# KiCad board arena_10_of_10_v1r1.kicad_pcb (continued)
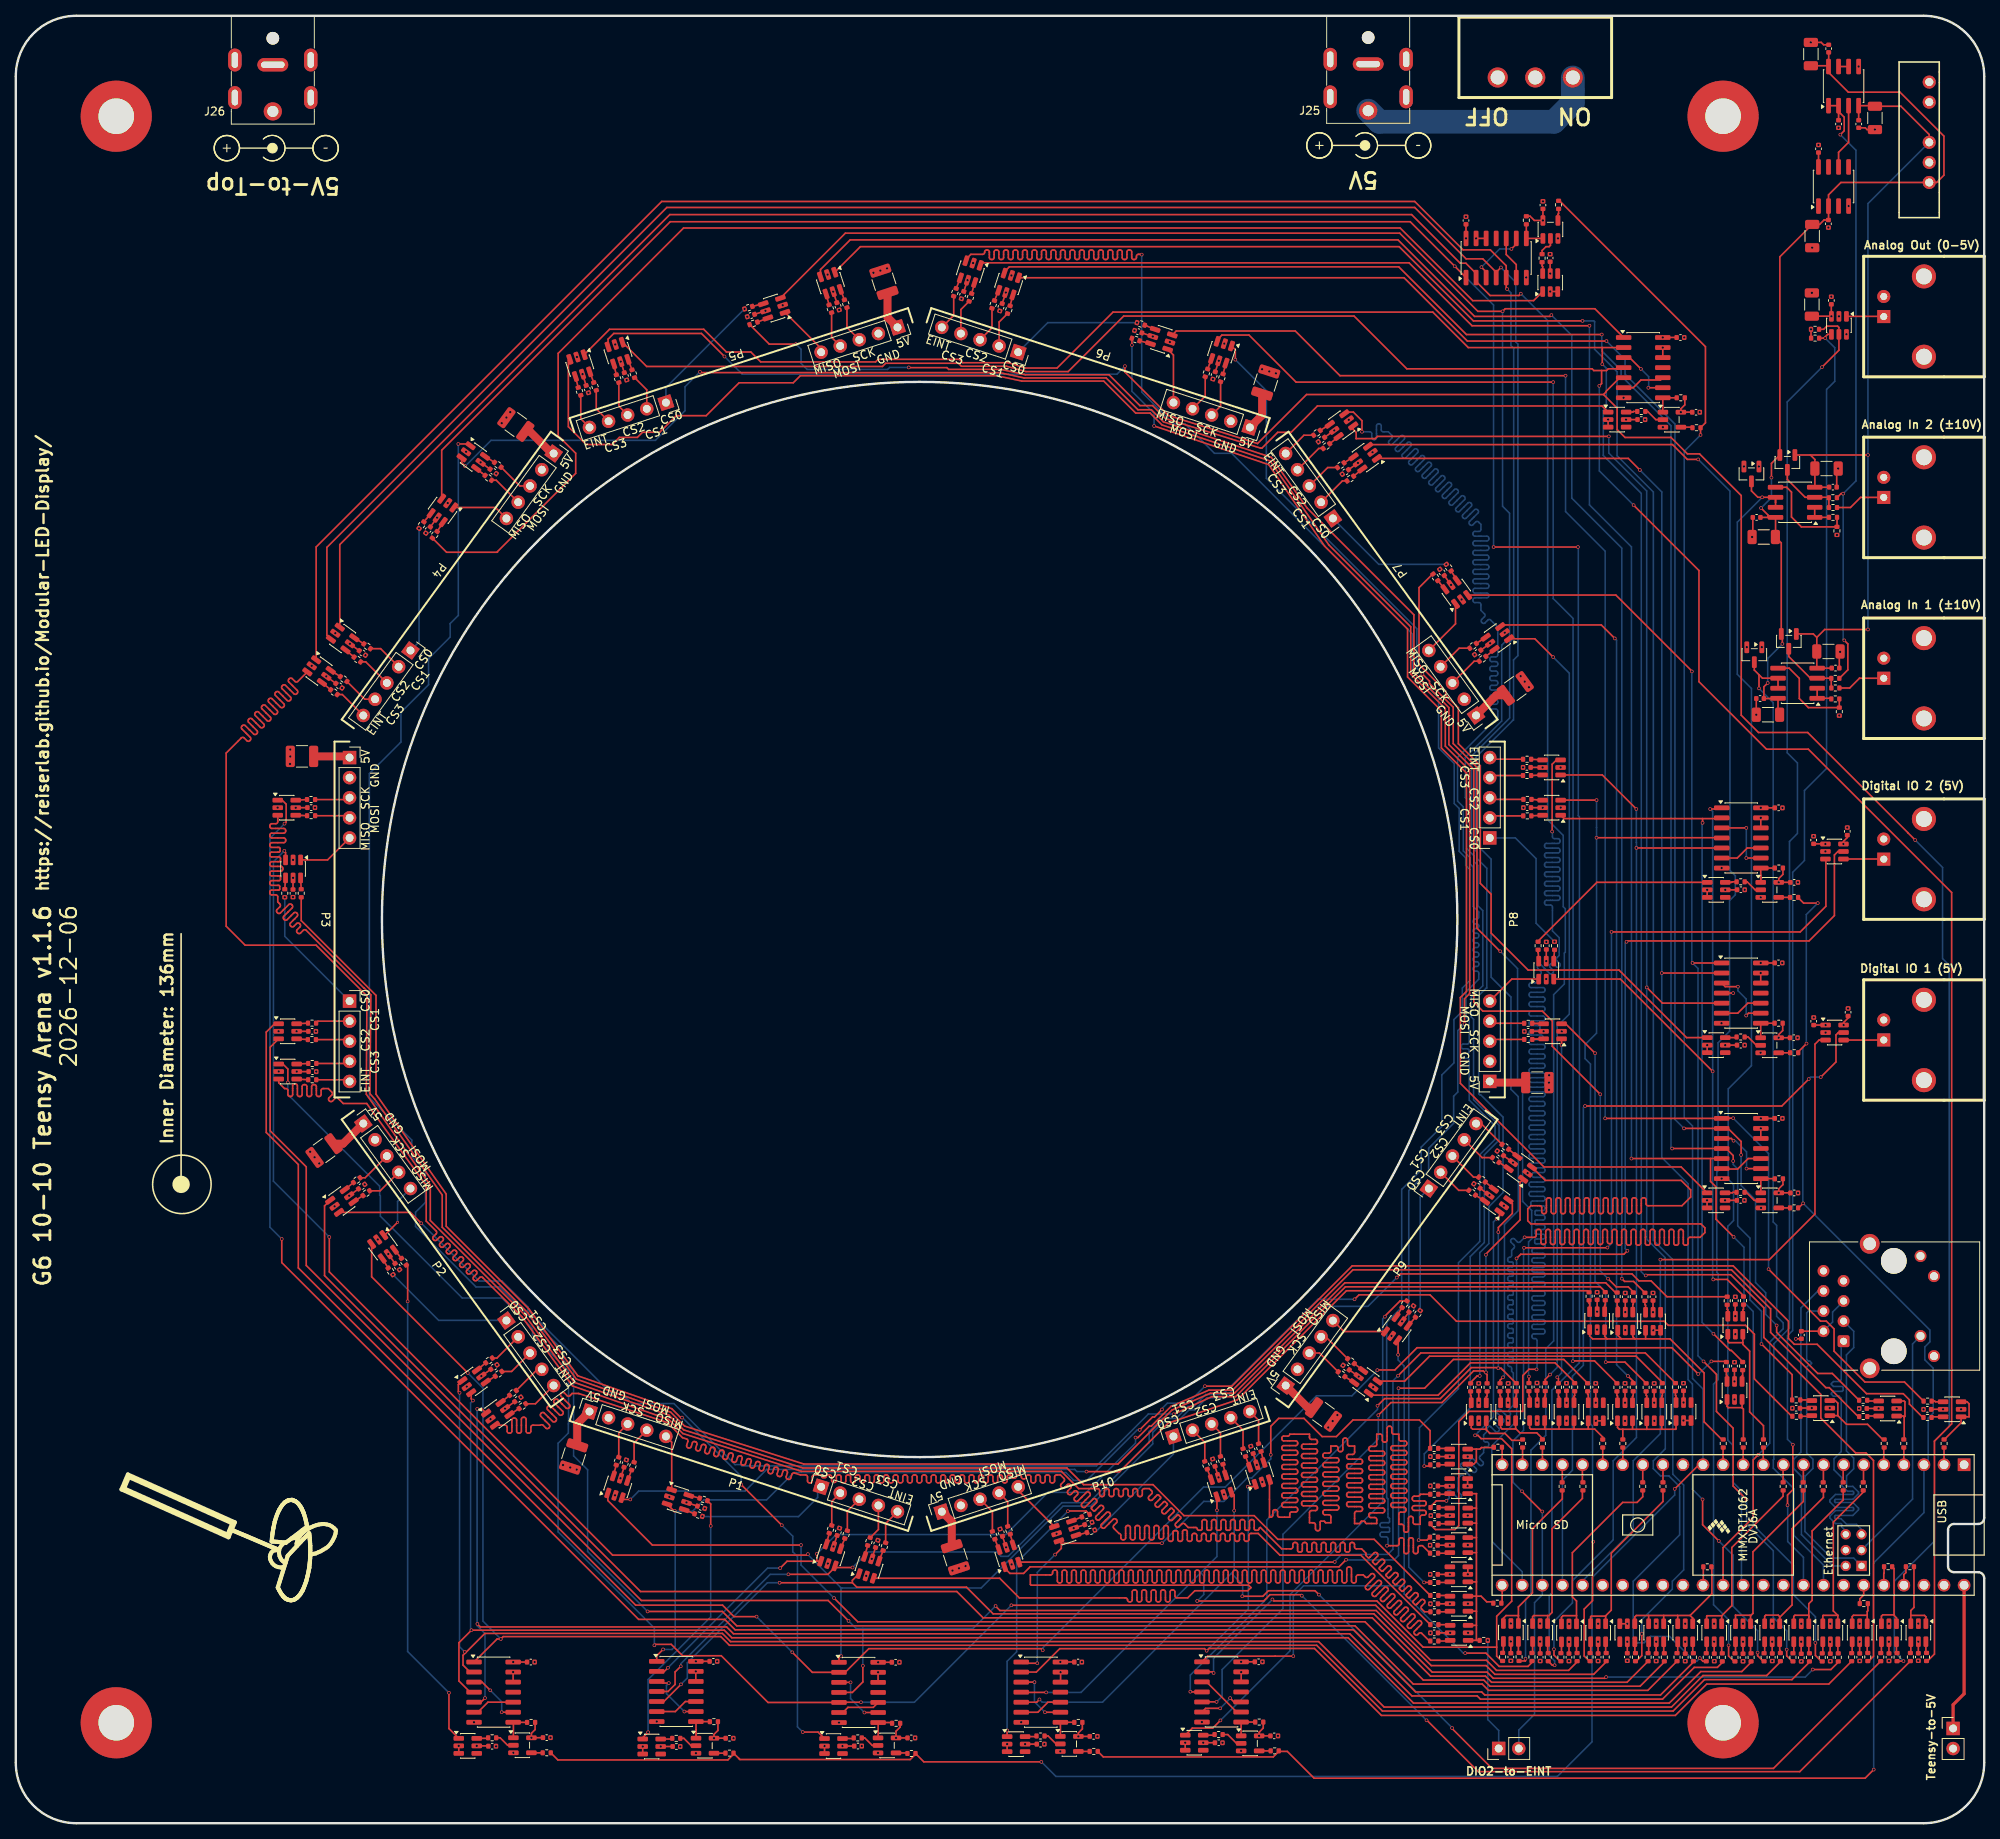
[diagram p0: board, top side]
## Routing (per net, layer and track width the routed paths; a pad name or vN(x,y) marks a point on that pad's centre or on a via; arc(x,y) is an arc through that point) (continued)
  Bottom w0.2: v1(101.29,34.06) 103.74,36.5 125.18,36.5 130.52,41.84 135.37,41.84 141.6,48.08 v1(141.6,48.78) ; v1(82.47,19.66) 95.07,32.26 v1(96.66,32.26)
/Fan Out/PAN.CS_01_P6: length 229.2
  Top w0.2: v1(222.68,62.95) 222.68,62.08 227.88,56.88 229.71,56.88 R51.2 ; v1(218.18,84.53) 218.18,86.22 216.53,87.88 U99.2 v1(210.96,87.88) ; v1(201.16,187.46) 183.56,187.46 175.55,195.47 U64.1
  Bottom w0.2: v1(218.18,84.53) 218.18,80.65 220.01,78.83 220.01,68.37 221.29,67.09 221.29,64.36 222.68,62.98 v1(222.68,62.95) ; v1(201.16,187.46) 203.51,185.11 203.51,183.27 209.82,176.96 209.82,89.02 v1(210.96,87.88)
/Fan Out/PAN.CS_02_P1: length 176.8
  Top w0.2: v1(84.09,19.84) 83.37,19.12 83.37,17.55 82.48,16.66 U89.4 ; v1(169.3,66.27) 169.86,66.83 178.84,66.83 182.18,63.49 208.45,63.49 208.97,62.97 218.74,62.97 219.86,61.85 219.86,56.19 224.59,51.47 R52.2 ; v1(105.81,32.34) 103.81,32.34 U44.3 103.6,32.38 102.7,31.48 v1(97.7,31.48)
  Bottom w0.2: v1(105.81,32.34) 107.79,34.31 124.05,34.31 124.05,34.28 124.57,33.75 125.5,33.75 132.29,40.54 135.71,40.54 143.32,48.15 143.32,49.55 144.97,51.2 146.72,51.2 148.22,52.7 148.95,52.7 150.48,54.23 152.62,54.23 164.66,66.27 v1(169.3,66.27) ; v1(84.09,19.84) 84.09,20.17 95.4,31.48 v1(97.7,31.48)
/Fan Out/PAN.CS_02_P6: length 228.2
  Top w0.2: U64.3 125,196.21 125.64,196.85 174.88,196.85 183.45,188.29 v1(200.56,188.29) ; R53.2 224.63,56.73 v1(220.76,60.61) ; v1(209.45,85.34) U99.4 216.28,85.34 217.18,84.43 v1(217.18,83.75)
  Bottom w0.2: v1(209.45,85.34) 209.31,85.47 209.31,176.75 203.01,183.06 203.01,183.77 200.56,186.22 v1(200.56,188.29) ; v1(217.18,83.75) 217.18,83.32 217.75,82.75 217.75,75.55 219.3,74 219.3,66.2 220.76,64.74 v1(220.76,60.61)
/Fan Out/PAN.CS_03_P1: length 164.2
  Top w0.2: v1(201.11,18.48) 200.96,18.33 186.84,18.33 186.06,19.1 179.12,19.1 171.74,26.48 123.59,26.48 120.22,29.85 106.35,29.85 105.79,30.41 ; U45.1 105.79,30.71 105.79,30.41 ; v1(227.24,19.44) 229.53,19.44 230.47,20.37 R54.2 ; 105.79,30.41 v1(96.59,30.41) ; v1(84.11,17.55) 81.95,15.39 U89.5
  Bottom w0.2: v1(96.59,30.41) 95.04,30.41 84.92,20.28 84.92,18.36 v1(84.11,17.55) ; v1(227.24,19.44) 226.29,18.48 v1(201.11,18.48)
/Fan Out/PAN.CS_03_P6: length 268.9
  Top w0.2: R55.2 228.33,20.47 227.58,21.22 v1(227.58,22.8) ; v1(204.31,84.07) 214.31,84.07 ; 214.31,84.07 U99.5 ; 214.31,84.07 214.31,81.17 215.01,80.47 215.01,76.38 v1(217.23,74.16) ; U65.1 122.28,197.36 176.2,197.36 184.15,189.4 v1(199,189.4)
  Bottom w0.2: v1(199,189.4) 199,166.74 204.31,161.43 v1(204.31,84.07) ; v1(227.58,22.8) 227.58,26.11 224.79,28.9 224.79,32.62 219.71,37.7 219.71,64.72 218.54,65.89 218.54,72.85 v1(217.23,74.16)
/Fan Out/PAN.CS_04_P2: length 233.5
  Top w0.2: R56.2 226.82,20.37 224.61,18.16 213.55,18.16 209.58,14.19 172.82,14.19 164.51,22.5 90.25,22.5 89.15,23.6 61.63,23.6 v1(61.33,23.3) 60.86,23.3 U91.1 ; v1(57.16,56.95) 45,69.11 U47.3
  Bottom w0.2: v1(61.33,23.3) 59.08,25.55 59.08,55.03 v1(57.16,56.95)
/Fan Out/PAN.CS_04_P7: length 166.6
  Top w0.2: U67.3 202.34,155.34 211.95,145.73 v1(211.95,145.68) ; v1(212.04,108.8) U102.1 ; v1(218.87,40.95) 217.17,42.64 217.17,49.96 215.06,52.07 215.06,56.77 v1(213.43,58.41) ; R57.2 224.64,20.48 223.94,21.17 v1(223.94,21.95)
  Bottom w0.2: v1(218.87,40.95) 218.87,37.84 222.25,34.45 222.25,26.02 223.94,24.33 v1(223.94,21.95) ; v1(213.43,58.41) 212.73,59.11 212.73,108.11 v1(212.04,108.8) 211.95,108.89 v1(211.95,145.68)
/Fan Out/PAN.CS_05_P2: length 212.1
  Top w0.2: 56.88,21.56 56.55,21.24 56.55,19.99 57.43,19.12 U91.2 ; 56.88,21.56 59.31,24 89.35,24 90.38,22.97 164.75,22.97 173.03,14.69 209.38,14.69 213.36,18.68 221.42,18.68 223.14,20.4 R58.2 ; 56.88,21.56 v1(56.76,21.67) ; v1(56.11,54.44) 55.96,54.59 55.96,55.47 U48.1
  Bottom w0.2: v1(56.11,54.44) 56.11,22.32 v1(56.76,21.67)
/Fan Out/PAN.CS_05_P7: length 198.7
  Top w0.2: R59.2 220.98,20.48 220.26,21.19 v1(220.26,21.57) ; v1(213.31,40.95) 213.31,37.75 v1(215.36,35.71) ; U68.1 203.91,172.62 v1(205.37,171.16) ; v1(208.15,107.53) U102.2
  Bottom w0.2: v1(215.36,35.71) 217.17,33.89 217.17,27.43 220.26,24.34 v1(220.26,21.57) ; v1(213.31,40.95) 212.02,42.23 212.02,55.55 211.48,56.1 211.48,80.87 208.15,84.19 v1(208.15,107.53) 208.15,168.38 v1(205.37,171.16)
/Fan Out/PAN.CS_06_P2: length 207.8
  Top w0.2: v1(57.81,53.46) 57.59,53.68 U48.3 ; U91.4 57.45,16.58 56.04,17.98 56.04,22.83 v1(57.62,24.41) 89.59,24.41 90.55,23.46 168.48,23.46 176.75,15.19 209.1,15.19 213.08,19.18 218.27,19.18 219.44,20.36 R60.2
  Bottom w0.2: v1(57.81,53.46) 57.51,53.16 57.51,24.51 v1(57.62,24.41)
/Fan Out/PAN.CS_06_P7: length 201
  Top w0.2: v1(217.18,104.99) U102.4 ; U68.3 171.22,174.37 209.51,174.37 211.38,172.49 v1(212.75,172.49) ; v1(216.6,22.49) 216.6,21.15 217.28,20.47 R61.2
  Bottom w0.2: 216.73,104.99 216.73,104.99 216.73,116.7 217.45,117.43 217.45,119.83 216.77,120.51 216.77,168.48 v1(212.75,172.49) ; 216.73,104.99 216.73,100.17 215.26,98.7 215.26,82.54 215.11,82.39 215.11,69.68 215.28,69.51 215.28,56.12 214.69,55.53 214.69,27.63 216.6,25.72 v1(216.6,22.49) ; 216.73,104.99 v1(217.18,104.99)
/Fan Out/PAN.CS_07_P2: length 203.4
  Top w0.2: 57.95,15.31 58.81,15.31 v1(59.33,15.82) ; R62.2 215.8,20.33 215.18,19.71 212.25,19.71 208.24,15.69 185.21,15.69 184.81,16.09 176.56,16.09 168.69,23.96 90.75,23.96 89.89,24.83 58.75,24.83 v1(58.38,25.2) ; v1(58.35,52.4) 58.94,52.4 U49.1
  Bottom w0.2: v1(59.33,15.82) 59.33,23.97 58.38,24.93 v1(58.38,25.2) 58.38,25.39 58.34,25.43 58.34,52.39 v1(58.35,52.4)
/Fan Out/PAN.CS_07_P7: length 215.6
  Top w0.2: v1(212.96,20.88) 213.36,20.48 R63.2 ; U69.1 169.13,176.28 169.51,175.91 169.51,175.13 169.5,175.13 171.92,175.13 172.2,175.4 v1(201.45,175.4) ; U102.5 208.24,103.72 v1(206.24,105.71)
  Bottom w0.2: v1(201.45,175.4) 201.45,173.3 206.24,168.5 v1(206.24,105.71) 206.24,73.87 208.59,71.52 208.59,47.35 207.08,45.84 207.08,44.84 207.99,43.93 209.04,43.93 210.41,42.57 210.41,36.47 204.54,30.6 204.54,23.34 205.05,22.83 205.93,22.83 206.73,23.62 209.12,23.62 212.27,20.48 212.56,20.48 v1(212.96,20.88)
/Fan Out/PAN.CS_08_P3: length 279.5
  Top w0.2: 34.11,121.84 34.11,122.77 33.96,122.92 v1(33.96,122.99) ; v1(100.17,34.03) 100.04,33.91 75.47,33.91 39.65,69.73 v1(39.65,74.13) ; v1(174.63,69.02) 175.09,69.48 204.38,69.48 205.26,68.6 206.8,68.6 208.81,66.59 R64.2 ; v1(104.35,21.16) 104.1,20.91 U94.1
  Bottom w0.2: 104.45,29.75 122.07,29.75 132.43,40.1 135.9,40.1 143.78,47.97 143.78,49.43 145.09,50.75 146.85,50.75 148.38,52.28 149.1,52.28 150.62,53.8 152.91,53.8 164.48,65.38 170.99,65.38 v1(174.63,69.02) ; 104.45,29.75 104.38,29.75 100.17,33.96 v1(100.17,34.03) ; 104.45,29.75 104.35,29.64 v1(104.35,21.16) ; v1(33.96,122.99) 32.58,121.6 32.58,81.2 v1(39.65,74.13)
/Fan Out/PAN.CS_08_P8: length 90.9
  Top w0.2: U103.1 215.58,128.28 v1(214.27,128.28) ; 194.49,106.77 202.91,106.77 v1(214.58,95.09) ; R65.2 218.48,66.71 216.42,68.77 v1(214.65,68.77)
  Bottom w0.2: v1(214.65,68.77) 214.58,68.85 v1(214.58,95.09) 214.58,127.96 v1(214.27,128.28)
/Fan Out/PAN.CS_09_P3: length 254.7
  Top w0.2: v1(212.76,56.81) 209.43,60.14 177.2,60.14 174.39,57.33 172.2,57.33 v1(172.18,57.3) ; v1(98.2,21.61) 100.73,19.08 U94.2 104.87,19.08 107.87,22.08 129.66,22.08 v1(129.86,21.88) ; v1(93.68,26.12) 90.82,26.12 89.37,27.58 78.38,27.58 35.73,70.23 35.73,83.31 31.67,87.37 31.67,100.06 32.72,101.11 U52.1 ; v1(214.42,58.41) 216.23,58.41 R66.2
  Bottom w0.2: v1(172.18,57.3) 172.18,57.28 168.96,54.06 164.48,54.06 152.94,42.51 150.21,42.51 129.86,22.17 v1(129.86,21.88) ; v1(212.76,56.81) 212.82,56.81 v1(214.42,58.41) ; v1(98.2,21.61) 94.27,25.54 94.26,25.54 v1(93.68,26.12)
/Fan Out/PAN.CS_09_P8: length 91.6
  Top w0.2: 213.31,127.06 v1(213.31,126.53) ; 213.31,127.06 215.63,127.06 215.73,127.16 ; 213.31,127.06 195.79,127.06 U72.1 ; v1(214.68,61.9) 216.79,59.8 216.95,59.8 218.38,58.37 R67.2
  Bottom w0.2: v1(214.68,61.9) 213.25,63.34 213.25,126.47 v1(213.31,126.53)
/Fan Out/PAN.CS_10_P3: length 230.3
  Top w0.2: U52.3 32.17,98.14 32.17,87.57 36.73,83.02 36.73,70.54 79.1,28.17 102.72,28.17 v1(105.31,25.59) ; v1(107.12,19.91) 107.12,17.87 105.79,16.54 U94.4 ; R68.2 201.12,20.41 199.54,18.83 187.04,18.83 185.94,19.93 179,19.93 172.03,26.9 124.45,26.9 123.9,27.45 v1(123.9,27.48)
  Bottom w0.2: v1(107.12,19.91) 107.12,24.63 ; 107.12,24.63 121.06,24.63 123.9,27.47 v1(123.9,27.48) ; 107.12,24.63 106.26,24.63 v1(105.31,25.59)
/Fan Out/PAN.CS_10_P8: length 131.1
  Top w0.2: U72.3 195.37,129.4 v1(199.9,129.4) ; v1(199.9,124.65) 215.69,124.65 U103.4 ; v1(199.48,35.6) 199.39,35.51 199.39,28.13 198.33,27.08 198.33,21.15 198.99,20.5 R69.2
  Bottom w0.2: v1(199.48,35.6) 199.39,35.69 199.39,50.25 199.13,50.5 199.13,96.02 198.45,96.7 198.45,98.48 199.9,99.92 v1(199.9,124.65) 199.9,125.94 199.9,125.94 v1(199.9,129.4)
/Fan Out/PAN.CS_11_P3: length 226.4
  Top w0.2: v1(125.9,27.56) 171.96,27.56 178.92,20.61 185.97,20.61 187.25,19.33 196.37,19.33 197.44,20.4 R70.2 ; v1(80.75,22.5) 80.87,22.62 82.88,22.62 84.32,21.18 89.21,21.18 95.12,15.27 U94.5 104.13,15.3 v1(106.88,15.3) ; U53.1 33.77,96.02 34.4,95.39 v1(34.4,93.69)
  Bottom w0.2: v1(125.9,27.56) 113.63,15.3 v1(106.88,15.3) ; v1(34.4,93.69) 34.4,92.17 46.01,80.56 46.01,79.44 46.1,79.35 46.1,76.78 56.45,66.43 61.47,66.43 65.35,62.55 65.35,61.73 69.9,57.18 69.9,50.53 69.88,50.5 69.88,49.35 68.57,48.05 68.57,36.85 80.75,24.67 v1(80.75,22.5)
/Fan Out/PAN.CS_11_P8: length 134.7
  Top w0.2: v1(194.52,22) 194.52,21.26 195.29,20.49 R71.2 ; v1(204.94,123.35) 205.64,123.35 205.65,123.35 U103.5 ; U73.1 200.63,132.58 v1(204.93,128.28)
  Bottom w0.2: v1(204.93,128.28) 204.93,124.06 204.94,124.05 v1(204.94,123.35) 204.94,48.78 202,45.84 202,35.83 196.85,30.68 196.85,27.87 194.52,25.53 v1(194.52,22)
/Fan Out/PAN.CS_12_P4: length 343.2
  Top w0.2: v1(197.54,161.41) 186.88,161.41 v1(186.88,161.41) ; U55.3 53.86,173.66 82.76,202.56 176.33,202.56 v1(181.97,196.92) 181.97,196.92 U95.1 ; v1(194.6,19.98) 194.31,19.98 R72.2
  Bottom w0.2: v1(181.97,196.92) 186.88,192.01 v1(186.88,161.41) ; v1(197.54,161.41) 197.59,161.36 197.59,127.43 197.73,127.29 197.73,58.24 194.25,54.76 194.25,29.14 193.91,28.8 193.91,21.21 194.6,20.53 v1(194.6,19.98)
/Fan Out/PAN.CS_12_P9: length 86.8
  Top w0.2: v1(161.55,21.12) 159.26,21.12 159.25,21.12 150.71,21.12 U106.1 ; v1(174.81,59.25) 174.81,61.01 U75.3 ; v1(183.29,21.51) 185.9,21.51 187.58,19.83 191.23,19.83 191.73,20.33 R73.2
  Bottom w0.2: v1(174.81,59.25) 174.81,58.59 175.57,57.83 175.57,30.03 ; 175.57,30.03 175.57,29 183.05,21.51 v1(183.29,21.51) ; 175.57,30.03 162.85,30.03 161.55,28.73 v1(161.55,21.12)
/Fan Out/PAN.CS_13_P4: length 360.2
  Top w0.2: U56.1 40.97,161.72 82.71,203.46 176.51,203.46 182.66,197.31 183.37,197.31 184.66,196.01 184.66,195 186.44,193.23 190.09,193.23 v1(190.32,193.46) ; v1(190.91,20.8) 190.91,20.55 190.88,20.52 R74.2
  Bottom w0.2: v1(190.32,193.46) 193.71,190.06 193.71,126.91 195.68,124.94 195.68,115.93 195.95,115.66 195.95,110.18 195.82,110.05 195.82,106.15 194.48,104.8 194.48,61 193.48,60 193.48,49.05 192.82,48.39 192.81,48.39 191.6,47.18 191.6,28.95 190.91,28.27 v1(190.91,20.8)
/Fan Out/PAN.CS_13_P9: length 107.7
  Top w0.2: 187.27,22.26 187.27,26.17 189.17,28.07 189.17,47.35 187.88,48.64 185.31,48.64 184.9,49.05 v1(184.53,49.05) ; 187.27,22.26 177.96,22.26 172.11,28.11 159.1,28.11 v1(158.91,28.3) ; 187.27,22.26 187.27,21.13 187.88,20.52 R75.2 ; U76.1 187.63,76.83 v1(187.26,76.46) ; U106.2 151.33,19.14 v1(151.47,19)
  Bottom w0.2: v1(187.26,76.46) 186.86,76.05 186.86,51.38 184.93,49.45 v1(184.53,49.05) ; v1(158.91,28.3) 151.47,20.86 v1(151.47,19)
/Fan Out/PAN.CS_14_P4: length 329.9
  Top w0.2: v1(188.07,56.39) 187.69,56.01 R76.2 ; U56.3 39.34,150.25 39.34,161.37 82.33,204.36 176.91,204.36 183.4,197.86 185.51,197.86 187.21,196.17 ; 187.21,196.17 U95.4 ; 187.21,196.17 v1(187.81,196.77)
  Bottom w0.2: v1(188.07,56.39) 188.25,56.57 188.25,75.73 190,77.48 190,91.89 189.07,92.83 189.07,104.5 186.57,107 186.57,121.93 184.6,123.9 184.6,134.78 189.35,139.53 189.4,139.53 189.4,147.12 189.95,147.68 189.95,187.08 189.68,187.34 189.68,194.89 v1(187.81,196.77)
/Fan Out/PAN.CS_14_P9: length 90.1
  Top w0.2: v1(148.53,16.63) 148.56,16.6 U106.4 ; U76.3 189.25,78.36 189.25,77.12 187.48,75.35 v1(187.48,74.76) ; R77.2 189.72,55.65 188,57.37 188,57.37 187.82,57.54 v1(187.48,57.54) 187.4,57.63 184.06,57.63 180.14,53.7 173.1,53.7 v1(172.2,52.8)
  Bottom w0.2: v1(172.2,52.8) 172.2,52.34 158.21,38.34 158.21,28.4 148.53,18.73 v1(148.53,16.63) ; v1(187.48,74.76) v1(187.48,57.54)
/Fan Out/PAN.CS_15_P4: length 334.7
  Top w0.2: R78.2 183.97,55.75 184.8,56.58 v1(185.13,56.58) ; U57.1 37.98,161.42 81.68,205.12 176.9,205.12 183.02,199 186.47,199 188.47,196.99 U95.5 188.47,194.16 v1(188.59,194.04)
  Bottom w0.2: v1(188.59,194.04) 189.07,193.56 189.07,186.89 189.43,186.54 189.43,149.89 188.91,149.38 188.91,139.79 184.1,134.98 184.1,123.53 184.82,122.8 184.82,121.97 186.02,120.78 186.02,105.63 185.95,105.63 185,104.68 185,92.25 185.12,92.13 185.25,92.13 188.07,89.3 188.07,79.76 186.28,77.97 186.28,73.31 185.13,72.16 v1(185.13,56.58)
/Fan Out/PAN.CS_15_P9: length 90.4
  Top w0.2: R79.2 186.06,56.73 185.91,56.87 v1(185.91,57.03) 185.76,57.03 185.58,57.2 184.35,57.2 180.35,53.2 173.9,53.2 v1(172.3,51.6) ; U106.5 150.02,15.35 v1(151.85,15.35) ; U77.1 190.22,81.06 190.22,76.3 185.91,71.99 v1(185.91,71.9)
  Bottom w0.2: v1(185.91,57.03) v1(185.91,71.9) ; v1(151.85,15.35) 152.55,16.05 152.55,19.43 160.24,27.12 160.24,36.54 172.3,48.6 v1(172.3,51.6)
/Fan Out/PAN.CS_16_P5: length 272.3
  Top w0.2: v1(178.11,45.16) 178.7,45.16 R80.2 ; U98.1 199.69,191.55 188.34,191.55 v1(188.02,191.22) 184.89,191.22 175,201.11 104.91,201.11 96.69,192.89
  Bottom w0.2: v1(178.11,45.16) 178.11,46.72 183.92,52.53 183.92,71.66 185.71,73.45 185.71,84.53 187.57,86.4 187.57,88.28 184.35,91.5 184.35,101.68 184.05,101.98 184.05,104.45 185.51,105.91 185.51,115.43 184.9,116.04 184.9,121.13 184.43,121.6 184.43,122.33 183.45,123.3 183.45,129.58 183.3,129.73 183.3,134.8 187.91,139.41 187.91,149.01 188.9,150 188.89,150.01 188.89,165.69 188.02,166.57 v1(188.02,191.22)
/Fan Out/PAN.CS_16_P10: length 79.2
  Top w0.2: v1(144.93,35.41) 132.21,35.41 ; 132.21,35.41 132.21,34.76 v1(131.43,33.98) ; 132.21,35.41 131.91,35.71 ; v1(158.7,46.6) 158.7,50.2 159.7,51.2 162.9,51.2 165.2,48.9 167,48.9 169.1,51 177.5,51 178.85,49.65 R81.2 ; v1(129.18,20.23) 127.31,20.23 U107.1
  Bottom w0.2: v1(131.43,33.98) 129.18,31.72 129.18,21.18 129.18,21.17 v1(129.18,20.23) ; v1(144.93,35.41) 150.23,40.7 152.76,40.7 155.72,43.66 156.3,43.66 158.7,46.06 v1(158.7,46.6)
/Fan Out/PAN.CS_17_P5: length 320.5
  Top w0.2: v1(204.59,166.7) 212.85,158.44 212.85,144.38 221.39,135.84 226.68,135.84 244.81,117.71 244.81,50.5 242.63,48.33 242.63,21.39 241.76,20.52 R82.2 ; U60.1 79.77,184.25 109.6,184.25 110,184.65 119.2,184.65 119.57,184.28 125.28,184.28 127.75,183.6 133.07,183.6 140.1,190.62 169.24,190.62 175.9,183.95 199.33,183.95 199.56,183.73 200.55,183.73 ; U98.4 203.18,183.95 201.38,183.95 201.16,183.73 200.55,183.73 ; 200.55,183.73 200.54,183.72 200.54,182.09 v1(200.25,181.8)
  Bottom w0.2: v1(204.59,166.7) 200.25,171.04 v1(200.25,181.8)
/Fan Out/PAN.CS_17_P10: length 149.2
  Top w0.2: v1(130.3,16.54) 127.18,16.54 U107.4 ; R83.2 225.6,6.52 184.94,6.52 178.45,13.01 v1(178.4,13.01) ; U80.1 v1(151.89,39.58) ; v1(162.62,28.78) 162.62,28.9 162.62,28.9 158.6,28.9 157.8,28.1 v1(149.4,28.1)
  Bottom w0.2: v1(130.3,16.54) 134.71,16.54 149.84,31.67 ; v1(151.89,39.58) 151.89,33.73 149.84,31.67 ; 149.84,31.67 150.22,31.29 150.22,28.93 v1(149.4,28.1) ; v1(178.4,13.01) 162.76,28.65 162.75,28.65 v1(162.62,28.78)
/Fan Out/PAN.CS_18_P5: length 329.7
  Top w0.2: U60.3 74.9,187.7 75.62,188.43 86.7,188.43 v1(89.62,185.51) ; 200.78,180.7 202.5,178.98 202.5,176.27 203.5,175.27 209.31,175.27 211.39,173.19 212.92,173.19 218.2,167.92 218.2,140.13 220.38,137.95 226.6,137.95 239.26,125.29 239.26,125.28 v1(240.19,124.35) ; 200.78,180.7 201.12,181.04 201.12,181.11 202.83,182.83 U98.5 ; 200.78,180.7 163.22,180.7 157.03,174.5 145.75,178.05 140.26,183.54 v1(140.26,184.29) ; R84.2 v1(238.72,20.5)
  Bottom w0.2: v1(89.62,185.51) 91.85,183.28 139.25,183.28 v1(140.26,184.29) ; v1(238.72,20.5) 237.56,21.65 237.56,30.61 242.62,35.67 242.62,48.33 244.5,50.2 244.5,108.52 243.66,109.36 243.66,120.88 v1(240.19,124.35)
/Fan Out/PAN.CS_18_P10: length 143.7
  Top w0.2: U107.5 129.1,15.3 v1(129.45,15.65) ; v1(164.79,28.91) 164.3,29.4 158.4,29.4 157.7,28.7 v1(155.1,28.7) ; U80.3 154.08,41.49 v1(154.08,39.54) ; R85.2 222.27,6.93 186.67,6.93 181.63,11.97 v1(181.63,12.04)
  Bottom w0.2: 153.72,31.6 154.08,31.95 v1(154.08,39.54) ; 153.72,31.6 137.42,15.3 129.8,15.3 v1(129.45,15.65) ; 153.72,31.6 155.15,30.17 155.15,28.75 v1(155.1,28.7) ; v1(164.79,28.91) 181.63,12.07 v1(181.63,12.04)
/Fan Out/PAN.CS_19_P5: length 328
  Top w0.2: 200.63,186.64 U98.2 ; 200.63,186.64 v1(200.63,184.53) ; 200.63,186.64 183.68,186.64 179.19,191.12 138.75,191.12 131.68,184.05 127.62,184.05 125.53,184.73 119.75,184.73 119.32,185.15 109.05,185.15 108.72,184.83 94.2,184.83 92.95,186.08 89.86,186.08 86.99,188.95 75.08,188.95 U61.1 ; v1(206.12,69.28) 206.23,69.38 216.87,69.38 221.06,65.19 221.06,61.43 228.26,54.23 228.26,51.23 232.66,46.83 233.97,46.83 234.92,45.88 234.92,21.11 234.32,20.51 R86.2
  Bottom w0.2: v1(200.63,184.53) 201.13,184.03 201.13,179.05 200.75,178.67 200.75,173 205.55,168.2 205.55,69.75 206.03,69.28 v1(206.12,69.28)
/Fan Out/PAN.CS_19_P10: length 136.8
  Top w0.2: v1(155.79,42.57) 156.43,42.57 U81.1 ; U107.2 129.05,19.11 132.02,22.08 150.33,22.08 v1(150.59,21.81) 150.88,22.1 164.22,22.1 172.7,13.63 209.86,13.63 213.83,17.6 229.27,17.6 R87.2
  Bottom w0.2: v1(150.59,21.81) 155.86,27.08 155.86,42.5 v1(155.79,42.57)
/Fan Out/PAN.EINT_P1: length 260.1
  Top w0.2: U45.3 124.42,30.98 126.9,28.5 140.34,28.5 arc(140.51,28.43) 140.58,28.26 140.58,28.24 arc(140.65,28.07) 140.82,28 140.94,28 arc(141.11,28.07) 141.18,28.24 141.18,29.26 arc(141.25,29.43) 141.42,29.5 141.54,29.5 arc(141.71,29.43) 141.78,29.26 141.78,28.24 arc(141.85,28.07) 142.02,28 142.14,28 arc(142.31,28.07) 142.38,28.24 142.38,29.26 arc(142.45,29.43) 142.62,29.5 142.74,29.5 arc(142.91,29.43) 142.98,29.26 142.98,28.24 arc(143.05,28.07) 143.22,28 143.34,28 arc(143.51,28.07) 143.58,28.24 143.58,29.26 arc(143.65,29.43) 143.82,29.5 143.94,29.5 arc(144.11,29.43) 144.18,29.26 144.18,28.24 arc(144.25,28.07) 144.42,28 144.54,28 arc(144.71,28.07) 144.78,28.24 144.78,29.26 arc(144.85,29.43) 145.02,29.5 145.14,29.5 arc(145.31,29.43) 145.38,29.26 145.38,28.24 arc(145.45,28.07) 145.62,28 145.74,28 arc(145.91,28.07) 145.98,28.24 145.98,29.26 arc(146.05,29.43) 146.22,29.5 146.34,29.5 arc(146.51,29.43) 146.58,29.26 146.58,28.74 arc(146.65,28.57) 146.82,28.5 148.2,28.5 149.1,29.4 155.8,29.4 156.2,29.8 155.9,30.1 128.4,30.1 128.3,30.2 128.3,31.4 130.87,31.4 arc(131.04,31.47) 131.11,31.64 131.11,31.76 arc(131.18,31.93) 131.35,32 131.47,32 arc(131.64,31.93) 131.71,31.76 131.71,30.64 arc(131.78,30.47) 131.95,30.4 132.07,30.4 arc(132.24,30.47) 132.31,30.64 132.31,31.76 arc(132.38,31.93) 132.55,32 132.67,32 arc(132.84,31.93) 132.91,31.76 132.91,30.64 arc(132.98,30.47) 133.15,30.4 133.27,30.4 arc(133.44,30.47) 133.51,30.64 133.51,31.76 arc(133.58,31.93) 133.75,32 133.87,32 arc(134.04,31.93) 134.11,31.76 134.11,30.64 arc(134.18,30.47) 134.35,30.4 134.47,30.4 arc(134.64,30.47) 134.71,30.64 134.71,31.76 arc(134.78,31.93) 134.95,32 135.07,32 arc(135.24,31.93) 135.31,31.76 135.31,30.64 arc(135.38,30.47) 135.55,30.4 135.67,30.4 arc(135.84,30.47) 135.91,30.64 135.91,31.76 arc(135.98,31.93) 136.15,32 136.27,32 arc(136.44,31.93) 136.51,31.76 136.51,30.64 arc(136.58,30.47) 136.75,30.4 136.87,30.4 arc(137.04,30.47) 137.11,30.64 137.11,31.76 arc(137.18,31.93) 137.35,32 137.47,32 arc(137.64,31.93) 137.71,31.76 137.71,30.64 arc(137.78,30.47) 137.95,30.4 138.07,30.4 arc(138.24,30.47) 138.31,30.64 138.31,31.76 arc(138.38,31.93) 138.55,32 138.67,32 arc(138.84,31.93) 138.91,31.76 138.91,30.64 arc(138.98,30.47) 139.15,30.4 139.27,30.4 arc(139.44,30.47) 139.51,30.64 139.51,31.76 arc(139.58,31.93) 139.75,32 139.87,32 arc(140.04,31.93) 140.11,31.76 140.11,30.64 arc(140.18,30.47) 140.35,30.4 140.47,30.4 arc(140.64,30.47) 140.71,30.64 140.71,31.76 arc(140.78,31.93) 140.95,32 141.07,32 arc(141.24,31.93) 141.31,31.76 141.31,30.64 arc(141.38,30.47) 141.55,30.4 141.67,30.4 arc(141.84,30.47) 141.91,30.64 141.91,31.76 arc(141.98,31.93) 142.15,32 142.27,32 arc(142.44,31.93) 142.51,31.76 142.51,30.64 arc(142.58,30.47) 142.75,30.4 142.87,30.4 arc(143.04,30.47) 143.11,30.64 143.11,31.76 arc(143.18,31.93) 143.35,32 143.47,32 arc(143.64,31.93) 143.71,31.76 143.71,30.64 arc(143.78,30.47) 143.95,30.4 144.07,30.4 arc(144.24,30.47) 144.31,30.64 144.31,31.76 arc(144.38,31.93) 144.55,32 144.67,32 arc(144.84,31.93) 144.91,31.76 144.91,30.64 arc(144.98,30.47) 145.15,30.4 145.27,30.4 arc(145.44,30.47) 145.51,30.64 145.51,31.76 arc(145.58,31.93) 145.75,32 145.87,32 arc(146.04,31.93) 146.11,31.76 146.11,30.64 arc(146.18,30.47) 146.35,30.4 146.47,30.4 arc(146.64,30.47) 146.71,30.64 146.71,31.76 arc(146.78,31.93) 146.95,32 147.07,32 arc(147.24,31.93) 147.31,31.76 147.31,30.64 arc(147.38,30.47) 147.55,30.4 147.67,30.4 arc(147.84,30.47) 147.91,30.64 147.91,31.76 arc(147.98,31.93) 148.15,32 148.27,32 arc(148.44,31.93) 148.51,31.76 148.51,30.64 arc(148.58,30.47) 148.75,30.4 148.87,30.4 arc(149.04,30.47) 149.11,30.64 149.11,31.76 arc(149.18,31.93) 149.35,32 149.47,32 arc(149.64,31.93) 149.71,31.76 149.71,30.64 arc(149.78,30.47) 149.95,30.4 150.07,30.4 arc(150.24,30.47) 150.31,30.64 150.31,31.76 arc(150.38,31.93) 150.55,32 150.67,32 arc(150.84,31.93) 150.91,31.76 150.91,30.64 arc(150.98,30.47) 151.15,30.4 151.27,30.4 arc(151.44,30.47) 151.51,30.64 151.51,31.76 arc(151.58,31.93) 151.75,32 151.87,32 arc(152.04,31.93) 152.11,31.76 152.11,30.64 arc(152.18,30.47) 152.35,30.4 152.47,30.4 arc(152.64,30.47) 152.71,30.64 152.71,31.76 arc(152.78,31.93) 152.95,32 153.07,32 arc(153.24,31.93) 153.31,31.76 153.31,30.64 arc(153.38,30.47) 153.55,30.4 153.67,30.4 arc(153.84,30.47) 153.91,30.64 153.91,31.76 arc(153.98,31.93) 154.15,32 154.27,32 arc(154.44,31.93) 154.51,31.76 154.51,30.64 arc(154.58,30.47) 154.75,30.4 154.87,30.4 arc(155.04,30.47) 155.11,30.64 155.11,31.76 arc(155.18,31.93) 155.35,32 155.47,32 arc(155.64,31.93) 155.71,31.76 155.71,30.64 arc(155.78,30.47) 155.95,30.4 156.07,30.4 arc(156.24,30.47) 156.31,30.64 156.31,31.76 arc(156.38,31.93) 156.55,32 156.67,32 arc(156.84,31.93) 156.91,31.76 156.91,30.64 arc(156.98,30.47) 157.15,30.4 157.27,30.4 arc(157.44,30.47) 157.51,30.64 157.51,31.76 arc(157.58,31.93) 157.75,32 157.87,32 arc(158.04,31.93) 158.11,31.76 158.11,30.64 arc(158.18,30.47) 158.35,30.4 158.47,30.4 arc(158.64,30.47) 158.71,30.64 158.71,31.76 arc(158.78,31.93) 158.95,32 159.07,32 arc(159.24,31.93) 159.31,31.76 159.31,30.64 arc(159.38,30.47) 159.55,30.4 159.67,30.4 arc(159.84,30.47) 159.91,30.64 159.91,31.76 arc(159.98,31.93) 160.15,32 160.27,32 arc(160.44,31.93) 160.51,31.76 160.51,30.64 arc(160.58,30.47) 160.75,30.4 160.87,30.4 arc(161.04,30.47) 161.11,30.64 161.11,31.76 arc(161.18,31.93) 161.35,32 161.47,32 arc(161.64,31.93) 161.71,31.76 161.71,30.64 arc(161.78,30.47) 161.95,30.4 162.07,30.4 arc(162.24,30.47) 162.31,30.64 162.31,31.76 arc(162.38,31.93) 162.55,32 162.67,32 arc(162.84,31.93) 162.91,31.76 162.91,30.64 arc(162.98,30.47) 163.15,30.4 163.27,30.4 arc(163.44,30.47) 163.51,30.64 163.51,31.76 arc(163.58,31.93) 163.75,32 163.87,32 arc(164.04,31.93) 164.11,31.76 164.11,30.64 arc(164.18,30.47) 164.35,30.4 164.47,30.4 arc(164.64,30.47) 164.71,30.64 164.71,31.76 arc(164.78,31.93) 164.95,32 165.07,32 arc(165.24,31.93) 165.31,31.76 165.31,30.64 arc(165.38,30.47) 165.55,30.4 165.67,30.4 arc(165.84,30.47) 165.91,30.64 165.91,31.76 arc(165.98,31.93) 166.15,32 166.27,32 arc(166.44,31.93) 166.51,31.76 166.51,30.64 arc(166.58,30.47) 166.75,30.4 166.87,30.4 arc(167.04,30.47) 167.11,30.64 167.11,31.76 arc(167.18,31.93) 167.35,32 167.47,32 arc(167.64,31.93) 167.71,31.76 167.71,30.64 arc(167.78,30.47) 167.95,30.4 168.07,30.4 arc(168.24,30.47) 168.31,30.64 168.31,32.16 arc(168.38,32.33) 168.55,32.4 168.67,32.4 arc(168.84,32.33) 168.91,32.16 168.91,30.64 arc(168.98,30.47) 169.15,30.4 169.27,30.4 arc(169.44,30.47) 169.51,30.64 169.51,31.16 arc(169.58,31.33) 169.75,31.4 170.4,31.4 170.66,31.14 arc(170.83,31.07) 171,31.14 171.37,31.51 arc(171.54,31.58) 171.71,31.51 171.79,31.42 arc(171.86,31.25) 171.79,31.08 170.72,30.01 arc(170.65,29.84) 170.72,29.67 170.8,29.58 arc(170.97,29.51) 171.14,29.58 172.22,30.66 arc(172.39,30.73) 172.56,30.66 172.64,30.57 arc(172.71,30.4) 172.64,30.23 171.57,29.16 arc(171.5,28.99) 171.57,28.82 171.65,28.73 arc(171.82,28.66) 171.99,28.73 173.07,29.81 arc(173.24,29.88) 173.41,29.81 173.49,29.72 arc(173.56,29.55) 173.49,29.38 172.63,28.52 arc(172.56,28.35) 172.63,28.18 172.71,28.1 arc(172.88,28.03) 173.05,28.1 173.91,28.96 arc(174.08,29.03) 174.25,28.96 174.34,28.88 arc(174.41,28.71) 174.34,28.54 173.48,27.67 arc(173.41,27.5) 173.48,27.33 173.56,27.25 arc(173.73,27.18) 173.9,27.25 174.76,28.11 arc(174.93,28.18) 175.1,28.11 175.19,28.03 arc(175.26,27.86) 175.19,27.69 174.32,26.82 arc(174.25,26.66) 174.32,26.49 174.41,26.4 arc(174.58,26.33) 174.75,26.4 175.61,27.26 arc(175.78,27.33) 175.95,27.26 176.04,27.18 arc(176.11,27.01) 176.04,26.84 175.17,25.98 arc(175.1,25.81) 175.17,25.64 175.26,25.55 arc(175.43,25.48) 175.6,25.55 176.46,26.41 arc(176.63,26.49) 176.8,26.41 176.88,26.33 arc(176.95,26.16) 176.88,25.99 176.02,25.13 arc(175.95,24.96) 176.02,24.79 176.11,24.7 arc(176.28,24.63) 176.45,24.7 177.31,25.57 arc(177.48,25.64) 177.65,25.57 177.73,25.48 arc(177.8,25.31) 177.73,25.14 176.87,24.28 arc(176.8,24.11) 176.87,23.94 176.96,23.86 arc(177.12,23.78) 177.29,23.86 177.45,24.01 arc(177.62,24.08) 177.79,24.01 178.76,23.04 R93.2
